# Allegro board F407_PACK_V10B.brd (continued)
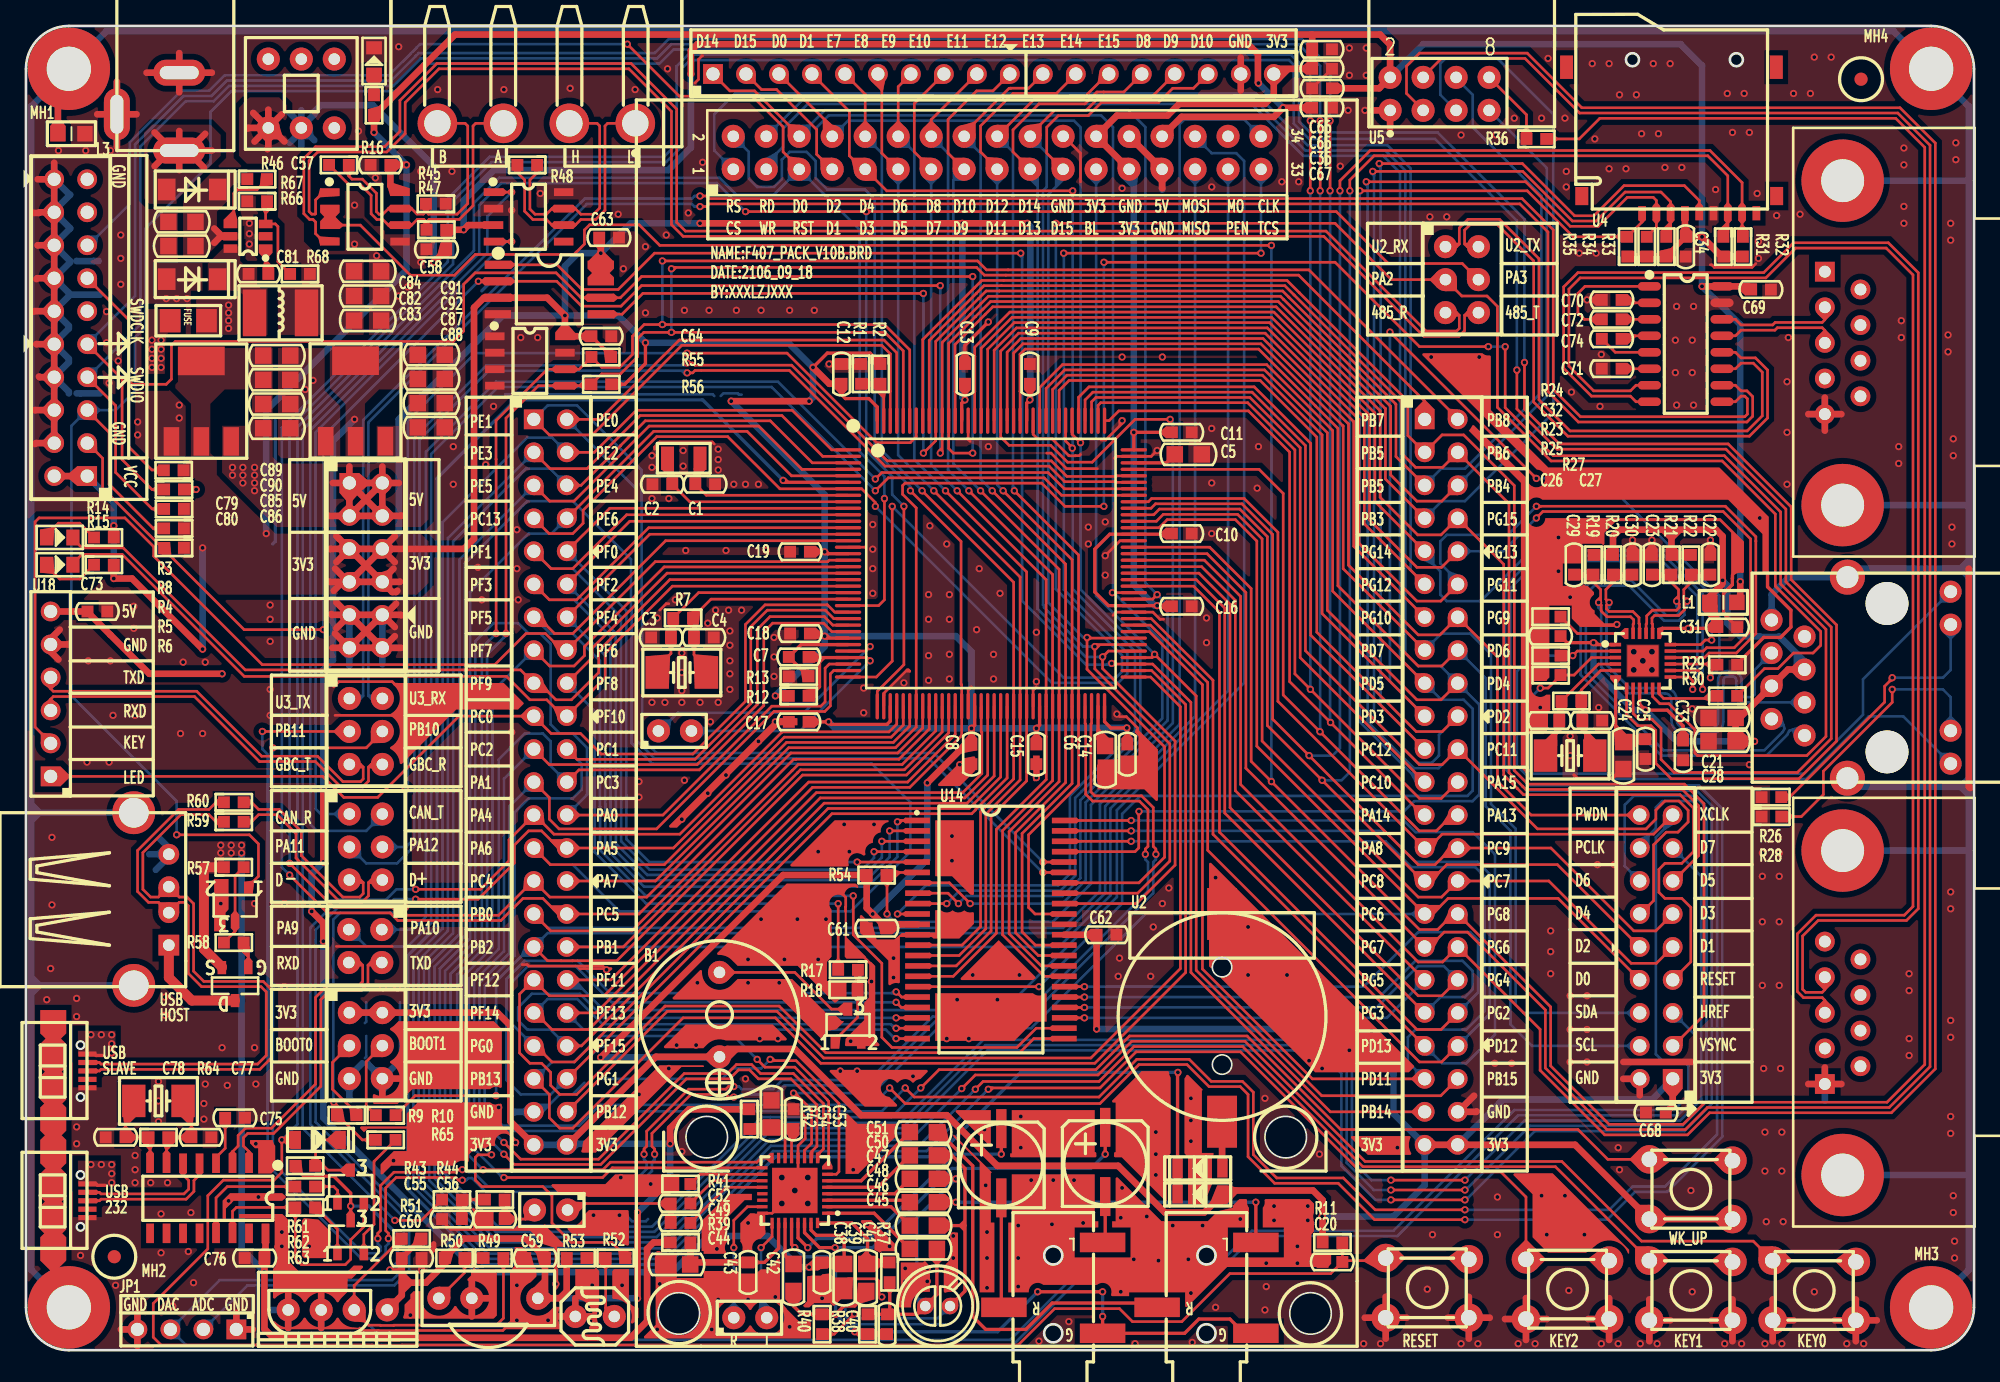
[diagram p0: board, top side]
## Footprints (pads in the part's own frame, mm; a bottom-side part is the same pattern mirrored in y, then rotated) (continued)
USB-A
  rect 1.6x1.6 hole 0.9: 1(0,0)
  round 1.6 hole 0.9: 2(0,-2.5) 3(0,-4.5) 4(0,-7)
  round 3.3 hole 2.3: 5(2.7,3.1) 6(2.7,-10.2)
USB-MICRO
  rect 0.4x1.4 smd: 1(-1.31,-0.07) 2(-0.66,-0.07) 3(-0.01,-0.07) 4(0.64,-0.07) 5(1.29,-0.07)
  rect 1.8x2 smd: 6(-3.8,-2.7) 7(-1.2,-2.7) 8(1.3,-2.7) 9(3.7,-2.7)
WJ2EDGRC-5R08-4P
  round 3.048 hole 2.032: 1(-7.62,0) 2(-2.54,0) 3(2.54,0) 4(7.62,0)
X-2P-3R2X1R5-SMD
  rect 1x1.8 smd: 1(-1.25,0) 2(1.25,0)
X-2P-5R0X3R2-SMD
  rect 1.8x2.5 smd: 1(-1.9,0) 2(1.9,0)

## Nets
AGND: C40.2 C41.2 C42.1 R38.1 R40.2 U6.3(G) U8.3(G) U9.28(AGND)
GND: C1.1 C2.1 C3.1 C4.1 C5.2 C6.2 C8.1 C9.1 C10.1 C11.1 C12.1 C13.1 C14.1 C15.1 C16.1 C17.1 C18.1 C19.1 C20.2 C21.1 C22.2 C23.2 C24.2 C25.2 C26.1 C27.1 C28.2 C29.1 C30.1 C31.2 C32.2 C33.2 C34.2 C35.1 C38.2 C39.2 C43.2 C44.2 C53.2 C54.2 C55.2 C56.2 C57.2 C58.1 C59.1 C60.1 C61.1 C62.2 C63.1 C64.1 C65.1 C66.1 C67.1 C68.1 C69.1 C70.1 C71.1 C73.1 C75.1 C76.1 C77.1 C78.1 C79.2 C80.2 C82.2 C83.2 C84.2 C85.2 C86.2 C87.2 C88.2 C89.2 C90.2 C91.2 C92.2 D5.2(CATHODE) D8.1 DC1.2 DC1.3 J1.43 J2.4 J2.6 J2.8 J2.10 J2.12 J2.14 J2.16 J2.18 J2.20 J3.44 J4.17 J8.5 J8.6 J13.22(GND_3) J13.26(GND_2) J13.27(GND_1) J14.2(10) J15.5 J16.1 J20.9(5) J20.10(11) J20.11(6) J20.12 JP1.1 JP1.4 L3.2(B) LS1.1(ANODE) Q1.2(E) Q3.2(E) R1.2 R8.1 R13.2 R18.1 R23.1 R24.1 R25.1 R26.2 R28.2 R29.2 R41.2 R45.2 R66.1 SW1.1 SW1.2 SW3.1 SW3.2 SW4.1 SW4.2 SW5.1 SW5.2 U1.16(VSS_1) U1.38(VSS_2) U1.51(VSS_3) U1.61(VSS_4) U1.83(VSS_5) U1.94(VSS_6) U1.107(VSS_7) U1.120(VSS_8) U1.130(VSS_9) U2.2 U3.25(GND) U4.6(GND) U5.1(GND) U9.12(DGND) U9.24(SPKGND) U9.33(GND) U10.5(GND) U11.2(GND) U11.8(RS) U12.2(GND) U13.1(GND) U13.2(NC) U14.12(GND_1) U14.34(GND_2) U15.4(GND) U16.1(A0) U16.2(A1) U16.3(A2) U16.4(GND) U16.7(WP) U17.15(GND) U18.5(GND) U19.1(GND) U20.2(GND) U22.1(GND) U23.1(GND) USB1.5(GND) USB2.4(GND) USB3.5(GND)
GND_EARTH: J9.8(CHS_GND) J9.13(SHILED_1) J9.14(SHILED_2) J15.10 J15.11 J16.10 J16.11 L3.1(A) MH1.1 MH2.1 MH3.1 MH4.1 USB1.6(P_2) USB1.7(P_1) USB1.8(P_3) USB1.9(P_4) USB2.5(P_2) USB2.6(P_1) USB3.6(P_2) USB3.7(P_1) USB3.8(P_3) USB3.9(P_4)
VCC_3V3: B1.1(P) C8.2 C9.2 C10.2 C11.2 C12.2 C13.2 C14.2 C15.2 C16.2 C17.2 C18.2 C19.2 C34.1 C35.2 C57.1 C59.2 C60.2 C61.2 C62.1 C63.2 C64.2 C65.2 C66.2 C68.2 C69.2 C89.1 C90.1 D1.1 J1.45 J1.46 J2.1 J2.2 J3.45 J3.46 J4.18 J8.1 J8.2 J13.24(VDD_2) J13.25(VDD_1) J14.1 J20.5(3) J20.6(9) J20.7(4) J20.8(10) L1.1(A) Q5.3(C) R2.2 R3.2 R4.2 R5.2 R6.2 R11.1 R12.2 R14.1 R15.1 R16.1 R31.1 R32.1 R33.2 R34.2 R35.2 R42.2 R50.1 R51.1 R53.2 R54.1 R55.1 R56.1 R61.1 SW2.1 SW2.2 U1.17(VDD_1) U1.30(VDD_2) U1.39(VDD_3) U1.52(VDD_4) U1.62(VDD_5) U1.72(VDD_6) U1.84(VDD_7) U1.95(VDD_8) U1.108(VDD_9) U1.121(VDD_10) U1.131(VDD_11) U1.144(VDD_12) U4.4(VCC) U5.2(VCC) U10.8(VCC) U12.3(VCC) U13.4(VCC) U14.11(VDD_1) U14.33(VDD_2) U15.3(W\P\) U15.7(H\O\L\D\) U15.8(VCC) U16.8(VCC) U17.16(VCC) U22.2(OUT_1) U22.4(OUT_2)
VCC_3V3_WM8978: C38.1 C39.1 C91.1 C92.1 U9.31(AVDD) U23.2(OUT_1) U23.4(OUT_2)
VCC_5V: C58.2 C67.2 C73.2 C76.2 C85.1 C86.1 C87.1 C88.1 J13.28(BL_VDD) J20.1 J20.2(7) J20.3(2) J20.4(8) Q2.2 R39.2 R47.1 R57.2 U11.3(VCC) U18.6(VCC) U19.16(VCC) U21.2 U22.3(IN) U23.3(IN)
VCC_LAN8720A: C21.2 C28.1 C31.1 C32.1 C33.1 J9.4(TCT) J9.5(RCT) L1.2(B) R19.1 R20.1 R21.1 R22.1 U3.1(VDD2A) U3.9(VDDIO) U3.19(VDD1A)
VCC_VBAT: D1.2 D2.2 U1.6(VBAT)
VDDA: C7.2 J7.2 R12.1 U1.33(VDDA)
VSSA: C7.1 R13.1 U1.31(VSSA)
1WIRE_DQ: J3.14 J14.18 U1.124(PG9)
485_A: J12.3 R46.1 R47.2 U10.6(A)
485_B: J12.4 R45.1 R46.2 U10.7(B)
BEEP: J1.18 R17.1 U1.20(PF8)
BOOT0: R9.1 R65.2 U1.138(BOOT0)
CAN_H: J12.2 R48.2 U11.7(CANH)
CAN_L: J12.1 R48.1 U11.6(CANL)
CAN_RX: J19.1 U11.4(R)
CAN_TX: J19.2 U11.1(D)
CH340_D+: U19.5(UD+) USB3.3(D+)
CH340_D-: U19.6(UD-) USB3.2(D-)
DCMI_D0: J3.31 J14.8(13) U1.96(PC6) U9.11(MCLK)
DCMI_D1: J3.30 J14.9(5) U1.97(PC7)
DCMI_D2: J3.29 J14.10(14) R31.2 U1.98(PC8) U4.7(DAT0)
DCMI_D3: J3.28 J14.11(6) R32.2 U1.99(PC9) U4.8(DAT1)
DCMI_D4: J3.22 J14.12(15) R34.1 U1.112(PC11) U4.2(DAT3)
DCMI_D5: J3.4 J14.13(7) U1.136(PB6)
DCMI_D6: J1.5 J14.14(16) U1.4(PE5)
DCMI_D7: J1.8 J14.15(8) U1.5(PE6)
DCMI_HREF: J1.25 J14.5(3) JP1.3 U1.40(PA4)
DCMI_PCLK: J1.27 J14.16(17) U1.42(PA6)
DCMI_RESET: J3.8 J14.7(4) U1.132(PG15)
DCMI_SCL: J3.16 J14.4(11) U1.122(PD6)
DCMI_SDA: J3.15 J14.6(12) U1.123(PD7)
DCMI_VSYNC: J3.3 J14.3(2) U1.137(PB7)
DCMI_XCLK: J3.27 J14.17(9) R49.1 R51.2 U1.100(PA8) U13.3(DQ)
DTR#: R62.2 U19.13(DTR#)
ETH_MDC: J1.22 U1.27(PC1) U3.13(MDC)
ETH_MDIO: J17.3 R30.2 U1.36(PA2)
ETH_RESET: J3.19 R29.1 U1.117(PD3) U3.15(R\S\T\)
F_CS: J3.43 U1.75(PB14) U15.1(C\S\)
FSMC_A0: J1.10 U1.10(PF0) U14.5(A0)
FSMC_A1: J1.9 U1.11(PF1) U14.4(A1)
FSMC_A2: J1.12 U1.12(PF2) U14.3(A2)
FSMC_A3: J1.11 U1.13(PF3) U14.2(A3)
FSMC_A4: J1.14 U1.14(PF4) U14.1(A4)
FSMC_A5: J1.13 U1.15(PF5) U14.24(A11)
FSMC_A6: J1.35 J13.2(RS) U1.50(PF12) U14.23(A17)
FSMC_A7: J1.38 U1.53(PF13) U14.22(A12)
FSMC_A8: J1.37 U1.54(PF14) U14.21(A13)
FSMC_A9: J1.40 U1.55(PF15) U14.20(A14)
FSMC_A10: J1.39 U1.56(PG0) U14.19(A15)
FSMC_A11: J1.42 U1.57(PG1) U14.18(A16)
FSMC_A12: J3.38 U1.87(PG2) U14.28(A18)
FSMC_A13: J3.37 U1.88(PG3) U14.27(A8)
FSMC_A14: J3.36 U1.89(PG4) U14.26(A9)
FSMC_A15: J3.35 U1.90(PG5) U14.25(A10)
FSMC_A16: J3.41 U1.80(PD11) U14.42(A7)
FSMC_A17: J3.40 U1.81(PD12) U14.43(A6)
FSMC_A18: J3.39 U1.82(PD13) U14.44(A5)
FSMC_D0: J4.1 J13.6(D0) U1.85(PD14) U14.7(I/O0)
FSMC_D1: J4.2 J13.7(D1) U1.86(PD15) U14.8(I/O1)
FSMC_D2: J4.3 J13.8(D2) U1.114(PD0) U14.9(I/O2)
FSMC_D3: J4.4 J13.9(D3) U1.115(PD1) U14.10(I/O3)
FSMC_D4: J4.5 J13.10(D4) U1.58(PE7) U14.13(I/O4)
FSMC_D5: J4.6 J13.11(D5) U1.59(PE8) U14.14(I/O5)
FSMC_D6: J4.7 J13.12(D6) U1.60(PE9) U14.15(I/O6)
FSMC_D7: J4.8 J13.13(D7) U1.63(PE10) U14.16(I/O7)
FSMC_D8: J4.9 J13.14(D8) U1.64(PE11) U14.29(I/O8)
FSMC_D9: J4.10 J13.15(D9) U1.65(PE12) U14.30(I/O9)
FSMC_D10: J4.11 J13.16(D10) U1.66(PE13) U14.31(I/O10)
FSMC_D11: J4.12 J13.17(D11) U1.67(PE14) U14.32(I/O11)
FSMC_D12: J4.13 J13.18(D12) U1.68(PE15) U14.35(I/O12)
FSMC_D13: J4.14 J13.19(D13) U1.77(PD8) U14.36(I/O13)
FSMC_D14: J4.15 J13.20(D14) U1.78(PD9) U14.37(I/O14)
FSMC_D15: J4.16 J13.21(D15) U1.79(PD10) U14.38(I/O15)
FSMC_NBL0: J1.2 U1.141(PE0) U14.39(L\B\)
FSMC_NBL1: J1.1 U1.142(PE1) U14.40(U\B\)
FSMC_NE3: J3.13 R54.2 U1.125(PG10) U14.6(C\S\1\)
FSMC_NE4: J3.11 J13.1(LCD_CS) U1.127(PG12)
FSMC_NOE: J3.18 J13.4(RD) U1.118(PD4) U14.41(O\E\)
FSMC_NWE: J3.17 J13.3(WR/CLK) U1.119(PD5) U14.17(W\E\)
GBC_KEY: J1.16 U1.18(PF6) U18.2(KEY)
GBC_LED: J1.19 U1.26(PC0) U18.1(LED)
GBC_RX: J18.6 U18.3(RXD)
GBC_TX: J18.5 U18.4(TXD)
I2S_LRCK: J1.44 U1.73(PB12) U9.7(LRC)
I2S_SCLK: J1.41 U1.74(PB13) U9.8(BCLK)
I2S_SDIN: J1.24 U1.29(PC3) U9.10(DACDAT)
I2S_SDOUT: J1.21 U1.28(PC2) U9.9(ADCDAT)
IIC_SCL: J3.2 R55.2 U1.139(PB8) U9.16(SCLK) U16.6(SCL)
IIC_SDA: J3.1 R56.2 U1.140(PB9) U9.17(SDIN) U16.5(SDA)
JTCK: J2.9 J3.25 R8.2 U1.109(PA14 (JTCK/SWCLK))
JTMS: J2.7 J3.26 R4.1 U1.105(PA13 (JTMS-SWDIO))
KEY0: J1.6 SW3.3 SW3.4 U1.3(PE4)
KEY1: J1.3 SW4.3 SW4.4 U1.2(PE3)
KEY2: J1.4 SW5.3 SW5.4 U1.1(PE2)
LCD_BL: J3.42 J13.23(BL) U1.76(PB15)
LED0: D3.2(CATHODE) J1.17 U1.21(PF9)
LED1: D4.2(CATHODE) J1.20 U1.22(PF10)
LIGHT_SENSOR: J1.15 R52.1 U1.19(PF7)
LINK_LED: J9.12(LED(Y)_A) R25.2 U3.3(LED1/R\E\G\O\F\F\)
LOUT2: J10.2 U9.25(LOUT2)
NRF_CE: J3.34 U1.91(PG6) U5.3(CE)
NRF_CS: J3.33 U1.92(PG7) U5.4(CSN)
NRF_IRQ: J3.32 R36.1 U1.93(PG8) U10.2(R\E\) U10.3(DE)
OSC32_IN: C1.2 U1.8(PC14/OSC32_IN (PC14)) X1.2
OSC32_OUT: C2.2 U1.9(PC15/ OSC32_OUT (PC15)) X1.1
OSC_IN: C3.2 R7.1 U1.23(PH0/OSC_IN (PH0)) X2.2
OSC_OUT: C4.2 R7.2 U1.24(PH1/OSC_OUT (PH1)) X2.1
PA5: J1.28 JP1.2 U1.41(PA5)
PA9: J6.3 U1.101(PA9)
PA10: J6.1 U1.102(PA10)
PWM_AUDIO: C49.2 C52.2 J11.1
PWM_DAC: J17.4 R43.1 U1.37(PA3)
RESET: C20.1 D6.1 J2.15 J13.5(RST) R11.2 SW1.3 SW1.4 U1.25(NRST)
RMII_CRS_DV: J1.30 U1.43(PA7) U3.11(CRS_DV/M\O\D\E\2\)
RMII_REF_CLK: J1.23 U1.35(PA1) U3.14(I\N\T\/REFCLKO)
RMII_RXD0: J1.29 U1.44(PC4) U3.8(RXD0/M\O\D\E\0\)
RMII_RXD1: J1.32 U1.45(PC5) U3.7(RXD1/M\O\D\E\1\)
RMII_TX_EN: J3.12 U1.126(PG11) U3.16(TXEN)
RMII_TXD0: J3.10 U1.128(PG13) U3.17(TXD0)
RMII_TXD1: J3.9 U1.129(PG14) U3.18(TXD1)
ROUT2: J10.1 U9.23(ROUT2)
RS485_RX: J17.5 U10.4(DI)
RS485_TX: J17.6 U10.1(RO)
RTS#: Q4.2(E) R63.2 U19.14(RTS#)
RXD: J6.4 U19.3(RXD)
SDIO_CMD: J3.20 R33.1 U1.116(PD2) U4.3(CMD)
SDIO_D2: J3.23 R35.1 U1.111(PC10) U4.1(DAT2)
SDIO_SCK: J3.21 U1.113(PC12) U4.5(CLK)
SPEED_LED: J9.9(LED(G)_A) R23.2 U3.2(LED2/I\N\T\S\E\L\)
SPI1_MISO: J2.3 J3.6 R6.1 U1.134(PB4 (NJTRST)) U5.7(MISO) U15.2(DO)
SPI1_MOSI: J3.5 U1.135(PB5) U5.6(MOSI) U15.5(DI)
SPI1_SCK: J2.13 J3.7 R3.1 U1.133(PB3 (JTDO/) U5.5(SCK) U15.6(CLK)
T_CS: J1.7 J13.33(T_CS) U1.7(PC13)
T_MISO: J1.33 J13.29(MISO) R10.2 U1.48(PB2/BOOT1 (PB2))
T_MOSI: J1.36 J13.30(MOSI) U1.49(PF11)
T_PEN: J1.34 J13.31(T_PEN) U1.47(PB1)
T_SCK: J1.31 J13.34(CLK) U1.46(PB0)
TPRX+: C29.2 J9.3(RD+) R19.2 U3.23(RXP)
TPRX-: C30.2 J9.6(RD-) R20.2 U3.22(RXN)
TPTX+: C23.1 J9.1(TD+) R21.2 U3.21(TXP)
TPTX-: C22.1 J9.2(TD-) R22.2 U3.20(TXN)
TXD: J6.2 U19.2(TXD)
U2_232RX: J15.3 U17.13(RIN1)
U2_232TX: J15.2 U17.14(TOUT1)
U2_RX: J17.1 U17.11(TIN1)
U2_TX: J17.2 U17.12(ROUT1)
U3_232RX: J16.4 U17.8(RIN2)
U3_232TX: J16.3 U17.7(TOUT2)
U3_RX: J18.2 U17.10(TIN2)
U3_TX: J18.1 U17.9(ROUT2)
USART3_RX: J18.3 U1.70(PB11)
USART3_TX: J18.4 U1.69(PB10)
USB_D+: J19.4 U1.104(PA12)
USB_D-: J19.3 U1.103(PA11)
USB_DM: R60.2 USB1.2(D-) USB2.2(D-)
USB_DP: R59.2 USB1.3(D+) USB2.3(D+)
USB_PWR: J2.5 J3.24 Q3.1(B) R5.1 U1.110(PA15 (JTDI))
VBTN: C82.1 C83.1 C84.1 F1.2 L2.2(B) R68.2 U21.1
VREF+: J7.1 U1.32(VREF+)
VUSB: F1.1 USB1.1(VBUS) USB3.1(VBUS)
WK_UP: J1.26 SW2.3 SW2.4 U1.34(PA0/WKUP (PA0))
N11518043: R1.1 R2.1 U1.143(PDR_ON)
N11518115: C5.1 U1.106(VCAP_2)
N11543983: C24.1 C25.1 U3.6(VDDCR)
N11544758: R24.2 U3.24(RBIAS)
N11545616: R30.1 U3.12(MDIO)
N11546552: C26.2 R27.1 U3.4(XTAL2) X3.2
N11546564: C27.2 R27.2 U3.5(XTAL1/CLKIN) X3.1
N11550641: J9.11(LED(Y)_K) R26.1
N11550645: J9.10(LED(G)_K) R28.1
N11560624: D3.1(ANODE) R14.2
N11560628: D4.1(ANODE) R15.2
N11623966: C6.1 U1.71(VCAP_1)
N11837194: D7.1 DC1.1
N11837240: C79.1 C80.1 D7.2 R67.2 U20.5(VIN)
N11837272: C81.1 D8.2 L2.1(A) U20.6(SW)
N11837304: R66.2 R68.1 U20.3(FB)
N11838232: C81.2 U20.1(BST)
N13706171: R67.1 U20.4(EN)
N13708484: Q1.1(B) R17.2 R18.2
N13708528: B1.2(G) Q1.3(C)
N13709121: D6.2 Q4.3(C) R61.2
N13709187: Q4.1(B) R62.1
N13709299: Q5.1(B) R63.1
N13709345: Q5.2(E) R65.1
N13727357: D5.1(ANODE) R16.2
N13728271: C75.2 U19.4(V3)
N13728445: C77.2 R64.1 U19.7(XI) X4.2
N13728616: C78.2 R64.2 U19.8(XO) X4.1
N13740556: C43.1 C44.1 R39.1 U9.26(SPKVDD)
N13740781: C49.1 U9.20(AUXR)
N13740788: C52.1 U9.19(AUXL)
N13741001: R41.1 U9.18(MODE)
N13741060: C53.1 C54.1 R42.1 U9.13(DCVDD) U9.14(DBVDD)
N13741784: C51.1 U9.6(R2/GPIO3)
N13741788: C50.1 U9.5(RIN)
N13741800: C47.1 U9.4(RIP)
N13741812: C48.1 U9.3(L2/GPIO2)
N13741824: C46.1 U9.2(LIN)
N13741836: C45.1 U9.1(LIP)
N13741899: C48.2 U8.2(L)
N13741928: C51.2 U8.1(R)
N13741940: C40.1 C45.2 C47.2 R37.1 R38.2 U7.1(+)
N13741961: C46.2 C50.2 R40.1 U7.2(-)
N13742146: C36.2 U6.1(R)
N13742150: C37.2 U6.2(L)
N13742154: C36.1 U9.29(ROUT1)
N13742161: C37.1 U9.30(LOUT1)
N13742295: C42.2 U9.27(VMID)
N13742444: C41.1 R37.2 U9.32(MICBIAS)
N13743580: C55.1 R43.2 R44.1
N13743674: C56.1 J11.2 R44.2
N16679056: R49.2 R50.2 U12.1(DATA)
N16679306: LS1.2(CATHODE) R52.2 R53.1
N16704366: Q2.1 R58.2
N16704370: Q3.3(C) R57.1 R58.1
N16704392: Q2.3 USB2.1(VBUS)
N16704862: C70.2 U17.2(V+)
N16704870: C71.2 U17.6(V-)
N16704890: C72.1 U17.1(C1+)
N16704894: C74.2 U17.5(C2-)
N16704906: C74.1 U17.4(C2+)
N16704910: C72.2 U17.3(C1-)
N16705916: J19.6 R59.1
N16706056: J19.5 R60.1
N16708256: R36.2 U5.8(IRQ)
N115355290: J8.4 R10.1
N115355295: J8.3 R9.2
N117249130: D2.1 U2.1

Pads without a net: J2 11 17 19; J9 7; J13 32; J15 1 4 6 7 8 9; J16 2 5 6 7 8 9; MP1 1; MP2 1; U3 10; U4 9 10 11 12 13; U9 15 21 22; U11 5; U19 9 10 11 12 15; U21 3 4 5 6; USB1 4; USB3 4

## Via types
v1: diameter 0.559, hole 0.305, TOP to BOTTOM, 819 vias
v2: diameter 0.762, hole 0.457, TOP to BOTTOM, 10 vias

## Routing (per net, layer and track width the routed paths; a pad name or vN(x,y) marks a point on that pad's centre or on a via; arc(x,y) is an arc through that point)
AGND: length 58.3
  TOP w0.254: v1(77.9,4.5) v1(82.9,4.5) ; v1(82.9,2.6) U6.3 89.21,1.3 90.31,2.4 92.7,2.4 93.8,1.3 U8.3 ; U9.28 58.95,8.15 v1(59.2,7.9) ; C41.2 64.7,4.3 63.81,3.41 62.99,3.41 v1(62.34,2.76) R40.2 59.74,2.76 59.1,3.4 C42.1 ; v1(63.82,1.42) 64.58,1.42 64.76,1.24 R38.1 C40.2
  BOTTOM w0.254: v1(77.9,4.5) 74.82,1.42 v1(63.82,1.42) 63.68,1.42 v1(62.34,2.76) 62.34,6.66 61.8,7.2 59.9,7.2 v1(59.2,7.9) ; v1(82.9,2.6) v1(82.9,4.5)
GND: length 564.6
  TOP w0.203: 85.6,47.7 85.6,47.93 84.73,48.8 84.2,48.8 ; 64.7,61.8 64.65,61.85 U1.16 ; 83.8,68.7 83.95,68.85 U1.107 86.65,68.85 v1(87.1,69.3) ; 48.8,57 49.3,57.5 49.5,57.5 ; 53,69.8 52.84,69.96 48.8,69.96 48.4,69.56 48.4,69.4 ; 82.8,70.1 83.13,70.1 84.4,71.37 v1(84.4,71.6) ; 35.6,9.3 32.7,9.3 32.04,9.96 C55.2 ; 35.6,9.3 35.34,9.56 35.34,9.64 ; 35.6,9.3 39.2,9.3 39.3,9.2 ; 63.1,33.8 63.1,34.14 63.12,34.16 63.12,34.88 62.8,35.2 ; 38.2,29.7 38.6,29.7 38.71,29.59 44.41,29.59 v1(44.7,29.3) ; U1.61 77.55,50.85 77.8,51.1 ; v1(83.1,61.2) 84.25,62.35 U1.94 ; U1.130 72.55,70.15 72.7,70 ; C65.1 100.54,98.7 C35.1 ; 67.9,52.3 68.05,52.3 67.95,52.4 67.85,52.4 66.05,50.6 U1.38 ; 28.6,51.3 28.39,51.3 28.2,51.49 24.09,51.49 23.7,51.1 ; v1(65.9,4.1) 65.7,4.3 65.7,5.3 65.5,5.5 63.3,5.5 ; J13.22 79.9,93.5 81.2,92.2 81.2,90 ; 83.7,56.6 83.95,56.85 U1.83 86.77,56.85 87.32,56.3 87.6,56.3 ; 51.5,97.6 51.78,97.88 51.78,99.43 52.06,99.7 52.1,99.7 ; 64.5,30.3 65.2,29.6 65.2,29.4 ; 133.2,83.7 132.91,83.41 130,83.41 129.81,83.6 129.7,83.6 ; U9.24 57.45,10.55 v2(58.2,11.3) v2(59.2,12.3) 59.45,12.55 U9.12 59.45,15.75 60,16.3 60,17.96 59.76,18.2 ; 37,1.8 36.72,1.52 28.49,1.52 28.47,1.5 27.15,1.5 27.13,1.52 25.88,1.52 25.7,1.7 ; 40.8,8.1 40.8,6.1 ; U1.120 77.55,70.55 77.9,70.2 79,70.2 80.3,68.9 80.32,68.9 80.32,68.89 80.81,68.89 80.81,68.9 81.1,68.9 81.2,69 ; 78.6,69.1 78.93,69.1 80.13,67.9 82.5,67.9 ; 28.8,48.9 23.8,48.9 ; C70.1 v1(120.2,80.9) ; 72.8,51.1 72.55,50.85 U1.51 ; 28.2,31.1 23.9,31.1
  TOP w0.254: C24.2 122.86,44.76 122.14,44.04 119.46,44.04 119.2,44.3 ; C39.2 62.32,5.24 C38.2 v1(61.3,4) ; v1(74.1,79.2) 72.3,77.4 C13.1 ; R29.2 131.76,52.86 133.8,54.9 135.1,54.9 135.9,55.7 135.9,57 134.1,58.8 134.1,59.9 134,60 ; 131.4,59.7 131.4,59.46 131.39,59.45 131.39,58.96 130.71,58.29 130.71,56.75 C31.2
  TOP w0.4: 31.22,7.6 31.4,7.78 31.4,8.2 ; C56.2 35.34,9.64 35.1,9.4
  TOP w0.508: SW3.2 140.9,3.91 ; SW3.2 139.29,2.3 ; SW3.2 140.9,0.69 ; SW3.2 142.51,2.3 ; 111.5,19.6 110.26,18.36 ; 110.26,18.36 111.66,18.36 111.7,18.4 ; 110.26,18.36 J3.44 ; 22.73,1.7 U13.2 22.73,4.5 ; J20.12 J20.11 ; J20.12 J20.9 ; J20.12 27.5,54.1 ; J20.11 23.6,54.1 ; J20.11 J20.10 ; J20.11 23.8,55.2 ; 134.5,0.69 SW3.1 ; SW3.1 134.5,3.91 ; SW3.1 136.11,2.3 ; 34.33,2.6 U12.2 ; U12.2 34.33,5.4 ; U12.2 35.73,4 ; LS1.1 43.7,2.6 ; LS1.1 40.9,2.6 ; LS1.1 42.3,4 ; J15.5 139.78,72.1 ; J15.5 138.51,73.37 ; J15.5 137.24,72.1 ; J15.5 138.51,70.83 ; 0.8,77.5 0.81,77.49 J2.10 ; SW1.2 112.71,2.5 ; SW1.2 111.1,4.11 ; SW1.2 109.49,2.5 ; SW1.2 111.1,0.89 ; 124.26,19.63 J14.2 122.99,20.9 ; J2.10 J2.8 ; J2.10 J2.12 ; U18.5 1.9,54.8 2.6,55.5 ; U18.5 1.9,53.8 2.5,53.2 ; U18.5 3.26,54.36 3.3,54.4 ; 1,75 1.05,74.95 J2.8 ; SW1.1 104.7,4.11 ; SW1.1 106.31,2.5 ; SW1.1 104.7,0.89 ; SW1.1 103.09,2.5 ; J2.8 J2.6 ; 129.79,2.3 SW4.2 ; SW4.2 131.4,3.91 ; SW4.2 131.4,0.69 ; 125,0.69 SW4.1 ; SW4.1 125,3.91 ; SW4.1 126.61,2.3 ; 7,92.69 DC1.3 ; DC1.3 5.49,95.2 ; DC1.3 7,97.71 ; DC1.3 8.51,95.2 ; J2.12 0.63,80.03 0.6,80 ; J2.12 J2.14 ; C22.2 v1(129.7,62.4) ; 8.58,0.33 JP1.4 ; JP1.4 7.31,1.6 ; JP1.4 8.58,2.87 ; 27.64,56.64 28.86,56.64 28.9,56.6 ; 27.64,56.64 27.46,56.64 ; 27.64,56.64 28.5,57.5 ; v1(61.84,75.96) C12.1 R1.2 ; J2.20 J2.18 ; J2.20 2.17,91.46 ; J2.20 0.9,90.19 ; J2.18 1.05,87.65 1,87.6 0.6,87.6 ; J2.18 J2.16 ; 149.6,60.2 149.6,43.4 149.7,43.3 ; 16.2,2.87 JP1.1 17.47,1.6 ; J13.26 J13.27 87.48,89.52 87.5,89.5 ; 27.46,56.64 28.4,55.7 ; 27.46,56.64 J20.10 ; v1(123.7,62.4) C30.1 C23.2 v1(125.2,62.4) ; 20.19,4.5 U13.1 20.19,1.7 ; SW5.1 115.5,4.01 ; SW5.1 115.5,0.79 ; SW5.1 113.89,2.4 ; SW5.1 117.11,2.4 ; J20.9 J20.10 ; J20.9 24.86,56.64 ; J20.9 24.9,56.6 23.9,55.6 ; 128.3,22.2 123,22.2 ; J2.16 0.91,85.11 0.9,85.1 ; J2.16 J2.14 ; 28.84,20.92 J8.6 27.44,19.52 ; R8.1 v1(13.1,66.3) ; 120.29,2.4 SW5.2 ; SW5.2 121.9,0.79 ; SW5.2 121.9,4.01 ; 28.4,55 27.5,54.1 ; 27.5,54.1 28.9,54.1 ; J2.6 J2.4 0.77,69.87 0.7,69.8 ; J2.6 0.71,72.41 0.7,72.4 ; 103.64,95.5 U5.1 105.04,94.1 ; 23.5,56.7 23.56,56.64 24.86,56.64 ; C60.1 v1(30.46,6.14) ; 24.86,56.64 23.9,57.6 ; J2.14 0.87,82.57 0.8,82.5 ; 137.24,20.5 J16.1 ; J16.1 138.51,21.77 ; J16.1 139.78,20.5 ; 11.8,96.89 DC1.2 ; DC1.2 9.29,98.4 ; DC1.2 11.8,99.91 ; DC1.2 14.31,98.4 ; 93.54,99.57 J4.17 93.54,97.03
  BOTTOM w0.203: 37.52,73.63 52.87,73.63 53,73.5 ; 37.52,73.63 36.93,73.63 36.9,73.6 ; 37.52,73.63 37.49,73.6 37.1,73.6 ; 28.7,22.7 28.8,22.8 28.8,24.1 ; J1.43 39.76,18.36 41.1,19.7 42.1,19.7 43,20.6 ; 26.2,26.8 26.2,25.3 26.1,25.2 ; 43.4,22.6 44.2,23.4 44.6,23.4 ; 28.7,25.2 28.8,25.3 28.8,26.8 ; 55.1,73.6 54.9,73.6 54.8,73.7 53.7,73.7 53.5,73.5 ; 47.9,10.1 47.73,9.93 46.67,9.93 46.3,10.3 ; 63.1,3.2 63.1,2.61 63.71,2 64.06,2 64.06,2 70.8,2 ; 26.2,24.2 26.2,22.6 26.1,22.5 ; 4.1,73.6 4.2,73.7
  BOTTOM w0.254: 19,62.1 19.2,62.3 19.2,71.6 ; 35.1,81.6 35.6,82.1
  BOTTOM w0.508: 3.9,83.9 3.91,83.89 5.22,83.89 5.23,83.9 5.6,83.9 ; 17.47,1.6 JP1.1 16.2,2.87 ; SW1.1 106.31,2.5 ; SW1.1 104.7,0.89 ; SW1.1 103.09,2.5 ; SW1.1 104.7,4.11 ; 37.6,18.3 37.66,18.36 J1.43 ; 43.7,2.6 LS1.1 40.9,2.6 ; 8.58,0.33 JP1.4 ; JP1.4 7.31,1.6 ; JP1.4 8.58,2.87 ; 5.49,95.2 DC1.3 ; DC1.3 7,92.69 ; DC1.3 8.51,95.2 ; DC1.3 7,97.71 ; 25.9,22.1 24.9,21.1 J8.5 24.9,19.4 25,19.3 ; J2.20 2.17,91.46 ; J2.20 3.36,89 3.4,89 2.17,87.77 ; J2.20 2.17,87.77 ; 115.5,0.79 SW5.1 ; SW5.1 117.11,2.4 ; SW5.1 113.89,2.4 ; SW5.1 115.5,4.01 ; J2.18 3.4,86.42 3.4,86.4 2.17,85.17 ; J2.18 2.17,87.77 ; J2.18 2.17,85.17 ; J2.16 3.4,83.88 3.4,83.8 2.17,82.57 ; J2.16 2.17,82.57 ; J2.16 2.17,85.17 ; USB2.4 11,38 10,37 ; USB2.4 9.5,38.2 ; USB2.4 11,38.7 10.3,39.4 ; 111.5,19.6 110.26,18.36 J3.44 ; 3.3,73.7 3.3,73.82 J2.8 ; J8.6 26.3,22.06 26.3,22.1 ; J8.6 27.44,20.94 28.4,21.9 ; J8.6 27.44,19.24 27.4,19.2 ; 111.1,0.89 SW1.2 ; SW1.2 109.49,2.5 ; SW1.2 112.71,2.5 ; SW1.2 111.1,4.11 ; 2.17,77.57 J2.12 ; 2.17,77.57 J2.10 ; 2.17,77.57 3.3,78.7 3.3,78.9 J2.12 ; J2.12 2.17,80.07 ; SW3.1 136.11,2.3 ; SW3.1 134.5,0.69 ; SW3.1 134.5,3.91 ; 22.73,1.7 U13.2 ; 3.9,73.7 5.7,73.7 ; 138.51,70.83 J15.5 ; J15.5 137.24,72.1 ; J15.5 139.78,72.1 ; J15.5 138.51,73.37 ; SW5.2 121.9,4.01 ; SW5.2 121.9,0.79 ; SW5.2 120.29,2.4 ; J2.14 3.3,81.44 3.3,81.2 2.17,80.07 ; J2.14 2.17,82.57 ; J2.14 2.17,80.07 ; J2.8 J2.6 J2.4 ; J2.8 2.17,74.97 ; J16.1 138.51,21.77 ; J16.1 139.78,20.5 ; J16.1 137.24,20.5 ; J16.1 138.51,19.23 ; U12.2 35.73,4 ; U12.2 34.33,2.6 ; U12.2 34.33,5.4 ; 103.64,95.5 U5.1 ; 125,0.69 SW4.1 ; SW4.1 125,3.91 ; SW4.1 126.61,2.3 ; 2.17,74.97 3.3,76.1 3.3,76.36 J2.10 ; 2.17,74.97 J2.10 ; 20.19,1.7 U13.1 18.79,3.1 ; DC1.2 14.31,98.4 ; DC1.2 9.29,98.4 ; DC1.2 11.8,99.91 ; J20.9 J20.11 24.9,52.7 ; J20.10 J20.12 ; J20.12 27.44,52.83 ; J20.12 28.71,54.1 ; 131.4,0.69 SW4.2 ; SW4.2 131.4,3.91 ; SW4.2 129.79,2.3 ; 140.9,0.69 SW3.2 ; SW3.2 140.9,3.91 ; SW3.2 139.29,2.3 ; SW3.2 142.51,2.3 ; 87.5,89.4 87.48,89.42 J13.27 ; 122.99,20.9 J14.2 ; 5.7,81.3 3.6,81.3
  vias: v1(1.6,27) v1(1.9,29.4) v1(2,39.5) v1(2,34.3) v1(2.5,92.4) v1(3.9,27.1) v1(3.9,25.7) v1(3.9,17.2) v1(3.9,15.9) v1(4.2,7.3) v1(4.6,92.4) v1(4.7,45.3) v1(4.8,53.1) v1(6.2,80) v1(6.2,77.6) v1(6.4,74.5) v1(6.4,45.3) v1(6.5,92.4) v1(6.5,53.1) v1(6.7,48.9) v1(6.9,5) v1(7.1,76.2) v1(7.3,85.9) v1(7.3,84.1) v1(7.3,82.1) v1(8.3,57.3) v1(8.3,55.6) v1(8.4,48.9) v1(8.4,15) v1(8.4,13.9) v1(8.4,12.9) v1(8.6,71.5) v1(8.6,70.5) v1(9.6,12.9) v1(10.2,20.7) v1(10.2,19.2) v1(10.2,17.6) v1(10.4,10.5) v1(10.4,7.5) v1(10.7,27.2) v1(10.7,25.8) v1(10.8,81) v1(10.9,12.9) v1(11.3,3.4) v1(11.6,81) v1(11.8,72.8) v1(11.8,71.8) v1(11.9,47.5) v1(12.1,53) v1(12.4,81) v1(12.5,7.6) v1(12.7,10.6) v1(12.9,5.2) v1(13.6,47.5) v1(13.7,19) v1(13.7,17.8) v1(13.8,53) v1(13.8,20.5) v1(15,34.4) v1(15,7.3) v1(15.1,23.3) v1(15.5,20.4) v1(15.6,11.5) v1(17.2,86.8) v1(17.2,86) v1(17.2,85.2) v1(17.6,34.4) v1(17.6,23.3) v1(17.7,20.5) v1(17.7,15.9) v1(17.9,11.8) v1(18.8,57.4) v1(18.8,56.3) v1(18.8,54.6) v1(18.8,50.9) v1(18.8,48.9) v1(19.7,9.1) v1(19.7,8) v1(19.9,34.4) v1(19.9,28) v1(21.5,74) v1(21.8,8) v1(22.1,74.7) v1(25.3,88.2) v1(25.3,85.2) v1(25.6,93.9) v1(26.9,90.3) v1(27,84.3) v1(27.5,27.9) v1(28.3,14.6) v1(28.6,27.9) v1(28.7,100.4) v1(28.7,81.2) v1(29.4,81.9) v1(29.6,2.7) v1(30.4,90.8) v1(30.4,83.8) v1(31.7,97.1) v1(32.8,90.8) v1(32.9,69.6) v1(32.9,66.7) v1(34.8,60.3) v1(35.1,57.8) v1(35.4,68.2) v1(36,72.7) v1(36.4,18.7) v1(36.8,97.1) v1(37.4,87.8) v1(37.4,50.1) v1(37.4,47.6) v1(37.7,16) v1(37.8,63.2) v1(37.8,60.2) v1(37.8,5) v1(37.8,2.3) v1(37.9,57.8) v1(38.1,78) v1(39.4,78) v1(39.6,89.1) v1(40.2,2.3) v1(40.8,5.1) v1(41.9,97.2) v1(43.6,5) v1(43.7,10.4) v1(44.8,17.1) v1(45.6,87.5) v1(45.7,10.4) v1(45.8,13.3) v1(45.9,5) v1(46,83.3) v1(46.9,97.1) v1(47.2,43.8) v1(47.2,42.6) v1(47.2,19.7) v1(47.7,85) v1(47.7,79.9) v1(48.1,12.8) v1(48.2,68.9) v1(48.2,68) v1(48.2,65.6) v1(48.2,49.9) v1(48.6,56.4) v1(48.6,1.6) v1(48.8,5.1) v1(49.2,49.9) v1(49.3,85.9) v1(49.4,98.7) v1(49.5,65.6) v1(49.5,21.7) v1(50,57.8) v1(50.1,23.5) v1(50.5,53.7) v1(50.5,52.2) v1(50.5,50.8) v1(50.5,49.9) v1(50.5,40.9) v1(50.5,15.3) v1(50.6,69.3) v1(50.6,68.1) v1(50.7,80.1) v1(50.7,43.9) v1(50.8,61.6) v1(51,87.6) v1(51.6,23.5) v1(51.7,28.3) v1(51.9,49.9) v1(52.1,91.5) v1(52.5,56) v1(52.5,42.9) v1(52.6,80.1) v1(52.7,48.4) v1(52.8,1.6) v1(53.1,57) v1(53.2,7.8) v1(53.3,69.4) v1(53.3,68.6) v1(53.3,67.8) v1(53.3,49.9) v1(53.3,3.9) v1(53.7,9.7) v1(53.9,61.6) v1(53.9,44.3) v1(54.1,57) v1(54.2,55.4) v1(54.2,54.3) v1(54.2,53.1) v1(54.2,52.1) v1(54.2,50.9) v1(54.5,66.7) v1(54.7,80.1) v1(55.1,57) v1(55.4,66.7) v1(55.4,20.9) v1(55.6,30.1) v1(55.6,28.3) v1(55.6,9.8) v1(55.6,3.9) v1(56.4,66.7) v1(56.4,46.9) v1(56.5,24) v1(56.6,80.1) v1(56.6,33.2) v1(57,61.6) v1(57.6,54.9) v1(57.6,53.4) v1(57.6,51.9) v1(57.7,48.4) v1(57.7,4.1) v1(57.9,24) v1(58,28.3) v1(58.4,30.1) v1(58.8,80.1) v1(58.8,1.8) v1(59.4,33.2) v1(60.7,80.1) v1(61,38.4) v1(61,30.1) v1(61.6,33.2) v1(62.7,21.5) v1(63,40.5) v1(63.4,38.4) v1(63.5,23.8) v1(63.7,13.9) v1(64,21.5) v1(64.5,51) v1(64.5,49.1) v1(64.8,9.7) v1(65.1,28.4) v1(65.2,63.6) v1(65.2,61.7) v1(65.2,60.2) v1(65.2,58.3) v1(65.3,40.5) v1(66.5,8) v1(66.8,30.2) v1(66.8,28.7) v1(67.6,51.4) v1(67.7,6.3) v1(67.7,5.3) v1(68.3,21.1) v1(69.4,6.3) v1(69.4,5.3) v1(69.5,58.2) v1(69.5,56.3) v1(69.5,53.5) v1(69.5,51.6) v1(69.6,63.5) v1(70.9,62.1) v1(70.9,24) v1(71.1,58.2) v1(71.1,56.3) v1(71.1,53.6) v1(71.1,51.7) v1(71.3,39.6) v1(71.3,37.7) v1(71.4,8.8) v1(71.4,7.1) v1(71.7,27) v1(71.9,45.1) v1(72.6,24) v1(72.9,28.9) v1(73.2,55.5) v1(73.4,60.2) v1(73.8,17) v1(73.9,12.7) v1(74,9.1) v1(74,7.1) v1(74,4.8) v1(74.1,69.6) v1(74.5,53.6) v1(74.5,51.7) v1(74.8,27) v1(75,58.3) v1(76.4,9.6) v1(76.4,7.1) v1(76.4,4.9) v1(76.5,28.9) v1(76.6,18) v1(76.6,15.6) v1(77.4,13.1) v1(77.8,55.3) v1(77.8,51.5) v1(77.8,44.1) v1(78,0.7) v1(79,9.7) v1(79.1,13.1) v1(80.3,2.2) v1(80.7,13.1) v1(81.4,9.8) v1(81.8,63.4) v1(81.8,62.1) v1(83.1,63.8) v1(83.1,59.7) v1(84,49) v1(84.1,28.8) v1(84.2,30.2) v1(84.3,10.2) v1(84.3,4.5) v1(84.4,89.5) v1(84.4,76.5) v1(84.4,12.5) v1(85.3,7) v1(85.4,0.5) v1(86.3,10.3) v1(86.6,28.8) v1(86.8,32.6) v1(87,16.8) v1(87,15.1) v1(87,13.5) v1(87.2,6.9) v1(87.5,76.5) v1(87.5,34.4) v1(88,35.6) v1(88.3,9.6) v1(89.5,7) v1(89.7,19.4) v1(89.7,17.7) v1(89.7,16.1) v1(89.7,4.4) v1(89.8,0.6) v1(90.6,9.6) v1(90.9,56.4) v1(90.9,54.5) v1(91.3,89.6) v1(91.3,71) v1(91.3,66.8) v1(91.3,62.9) v1(91.6,36.4) v1(91.6,3.3) v1(93.5,10.1) v1(94.1,32.6) v1(94.1,28.9) v1(94.8,66.4) v1(94.9,69.6) v1(95.4,19.4) v1(95.4,3.1) v1(95.5,6.7) v1(95.5,4.9) v1(96.1,11.1) v1(96.1,10) v1(96.7,90) v1(97.1,28.9) v1(97.9,8) v1(97.9,6.7) v1(98,90) v1(98.7,11.1) v1(98.7,10) v1(98.8,22.3) v1(99.6,15.1) v1(99.8,21.7) v1(101.2,91.2) v1(101.8,95.5) v1(101.9,100.3) v1(101.9,98.2) v1(101.9,23.1) v1(103,0.5) v1(103.1,95.5) v1(103.2,100.3) v1(103.2,98.2) v1(103.6,24.6) v1(104.3,0.5) v1(105.6,15.6) v1(107.9,4.7) v1(108.1,87.3) v1(108.2,76.5) v1(108.3,8.9) v1(109.4,87.3) v1(110.5,93.6) v1(110.5,0.5) v1(111.8,0.5) v1(111.9,76.5) v1(113.1,22.1) v1(113.2,93.6) v1(113.3,11.8) v1(113.3,8.9) v1(114.4,22.1) v1(114.6,94.9) v1(114.9,0.5) v1(115.6,55.8) v1(115.6,54.2) v1(115.6,51.7) v1(116.2,0.5) v1(116.6,49.5) v1(116.7,94.9) v1(116.7,11.9) v1(117.1,8.9) v1(117.2,99.5) v1(117.4,32.3) v1(117.4,30.7) v1(117.4,29) v1(118,62.6) v1(118,60) v1(118.5,94.9) v1(118.5,11.9) v1(118.6,90.8) v1(118.6,89.6) v1(118.8,4.6) v1(118.9,58) v1(118.9,47.3) v1(118.9,45.8) v1(118.9,27.3) v1(118.9,24.7) v1(118.9,22.2) v1(119,73.8) v1(119.6,84.5) v1(120,8.9) v1(120.2,27.3) v1(120.2,24.7) v1(120.2,22.2) v1(120.6,99.1) v1(120.8,93.3) v1(120.9,84.5) v1(121,37.4) v1(121.1,49.5) v1(121.2,72.7) v1(121.3,76.7) v1(121.3,0.5) v1(121.9,99.1) v1(121.9,91) v1(122.3,37.4) v1(122.5,55.9) v1(122.6,15.6) v1(122.6,0.5) v1(122.7,96.7) v1(122.7,13.9) v1(123.2,91) v1(124,96.7) v1(124.3,0.5) v1(124.4,93.7) v1(125.3,99.1) v1(125.6,0.5) v1(125.7,93.7) v1(126.2,91.1) v1(126.6,99.1) v1(127,77.8) v1(127,75.3) v1(127.1,80.4) v1(127.1,72.8) v1(127.5,91.1) v1(128.2,12.3) v1(128.3,77.8) v1(128.3,75.3) v1(128.3,49.4) v1(128.3,4.5) v1(128.4,80.4) v1(128.4,72.8) v1(130.1,89.4) v1(130.8,0.5) v1(131,96.8) v1(131.4,93.8) v1(132.1,0.5) v1(132.3,96.8) v1(132.7,93.8) v1(132.7,45.1) v1(133.3,89.1) v1(133.4,85.4) v1(133.4,84.1) v1(133.5,64.1) v1(133.7,38.3) v1(133.7,36.5) v1(133.7,33) v1(133.7,28.1) v1(133.8,21.7) v1(133.9,16.8) v1(133.9,13.8) v1(133.9,0.5) v1(134,9.9) v1(134.8,87.4) v1(135,38.3) v1(135,36.5) v1(135,33) v1(135,28.1) v1(135.1,21.7) v1(135.2,16.8) v1(135.2,13.8) v1(135.2,0.5) v1(135.3,9.9) v1(135.6,74.6) v1(135.6,70.7) v1(135.6,66.7) v1(135.7,78) v1(136.1,96.8) v1(136.6,87.5) v1(137.4,96.8) v1(137.7,99.6) v1(137.7,4.5) v1(139,99.6) v1(140.2,0.5) v1(141.5,0.5) v1(144.2,69.6) v1(144.2,68.3) v1(144.4,79.3) v1(144.4,78) v1(144.6,92.6) v1(144.6,91.3) v1(144.6,88.1) v1(144.6,86.8) v1(145,29) v1(145,27.7) v1(145,24) v1(145,22.7) v1(148,78.2) v1(148,76.9) v1(148.2,86.8) v1(148.2,85.5) v1(148.2,35.3) v1(148.2,34) v1(148.2,25.4) v1(148.2,24.1) v1(148.2,18) v1(148.2,16.7) v1(148.3,63.4) v1(148.3,62.1) v1(148.4,70.2) v1(148.4,68.9) v1(148.4,11.9) v1(148.4,10.6) v1(148.5,8.4) v1(148.5,7.1) v1(148.6,93) v1(148.6,91.7) v2(58.2,13.3) v2(60.2,13.3) v2(60.2,11.3) v2(123.8,53.8) v2(123.8,52.4) v2(124.5,53.1) v2(125.2,53.8) v2(125.2,52.4)
GND_EARTH: length 451.5
  TOP w0.508: MH2.1 2.1,4.5 USB3.9 USB3.8 USB3.7 USB3.6 USB1.9 USB1.8 USB1.7 USB1.6 ; L3.1 2.46,97.86 MH1.1
  BOTTOM w0.508: 149.6,65.1 149.59,65.09 J15.10 ; 149.6,65.1 149.6,60.2 ; 149.6,65.1 149.6,90.1 ; 149.6,90.1 149.58,90.08 J15.11 ; 149.6,90.1 149.6,95.8 MH4.1 143.8,101.6 6.2,101.6 MH1.1 0.4,95.8 0.4,41.4 ; 0.4,28.1 0.4,6.2 MH2.1 ; 0.4,28.1 USB2.5 ; 0.4,28.1 0.4,41.4 ; J16.11 149.58,38.48 149.6,38.5 ; 149.6,60.2 149.6,43.4 ; 149.6,60.2 141,60.2 140.34,59.55 J9.14 135.75,59.55 134.41,58.21 J9.8 ; J16.10 149.59,13.49 149.6,13.5 ; 149.6,13.5 149.6,38.5 ; 149.6,13.5 149.6,6.2 MH3.1 ; 149.6,38.5 149.6,43.4 ; 0.4,41.4 USB2.6 ; J9.13 140.34,44.05 141,43.4 149.6,43.4
VCC_3V3: length 976.5
  TOP w0.254: v1(72.8,47.9) 73.05,48.15 U1.52 ; R61.1 20.74,14.06 21.4,13.4 23.7,13.4 25,12.1 v1(25,11.1) Q5.3 ; R55.1 45.06,76.58 C64.2 ; U1.62 78.05,48.15 v1(77.8,47.9) C15.2 ; R56.1 46.1,74.4 47.7,76 v1(47.7,77.6) ; C17.2 v1(61.8,48.4) 62,48.2 66.3,48.2 66.55,48.45 U1.39 ; C9.2 v1(77.3,73.2) 77.05,72.95 U1.121 ; C16.2 87.15,57.3 v1(87.1,57.35) U1.84 83.35,57.35 82.3,58.4 82.3,61.7 83.45,62.85 U1.95 88.19,62.85 C10.2 ; C18.2 60.56,55 v1(61.5,55) 61.65,54.85 U1.30 ; U1.131 72.05,72.95 v1(72.3,73.2) C13.2 ; 28.94,6.43 28.68,6.18 v1(28.02,6.18) ; C11.2 v1(85.3,70.7) U1.108 ; C14.2 84.8,47.9 v1(84.77,47.93) 83.53,47.93 83.05,48.41 U1.72 ; U1.144 65.55,72.65 64.9,73.3 63.1,73.3 62.8,73.6 C12.2 ; v1(60.6,75.7) 61.7,76.8 65,76.8 65.8,76 R2.2 ; C19.2 v1(61.5,61.5) 61.6,61.5 61.75,61.35 U1.17 ; R12.2 v1(57.7,50.4)
  TOP w0.4: C60.2 30.44,8.6 R51.1 ; R33.2 126.3,84.26 C34.1
  TOP w0.508: 27.38,61.72 J20.5 ; 27.38,61.72 27.42,61.72 ; 27.38,61.72 28.4,60.7 ; J20.5 24.11,62.51 24.09,62.51 23.9,62.7 ; J20.5 23.42,61.72 23.4,61.7 ; J20.5 J20.8 ; J20.5 24.9,61.7 23.9,60.7 ; 99,101.34 104.26,101.34 105.04,100.56 U5.2 104.2,97.2 C35.2 ; 99,101.34 99.04,101.3 C66.2 C65.2 96.48,98.7 J4.18 96.08,96.68 95.4,96 88.8,96 87.9,95.1 84,95.1 J13.24 J13.25 ; 99,101.34 33.04,101.34 26.84,95.14 R16.1 v1(26.8,93.8) ; J20.8 27.44,59.16 28.2,58.4 28.5,58.4 28.6,58.5 ; J20.8 J20.7 ; J20.8 28.78,59.18 28.8,59.2 ; J20.8 27.44,59.34 28.3,60.2 ; v1(51.9,86.8) v1(72.1,86.8) v1(77.1,86.8) ; v1(47.09,4) v1(47.09,10.6) ; C60.2 28.94,5.2 ; 27.42,61.72 28.4,62.7 ; 27.42,61.72 J20.6 ; v1(69.4,43.7) 72.36,46.66 C8.2 v1(72.8,47.9) ; J1.45 37.3,17.62 37.3,25 36.3,26 J8.2 J8.1 ; C69.2 132.59,81.94 U17.16 v1(129.06,81.94) ; J20.7 24.82,59.18 ; J20.7 J20.6 ; v1(44.25,22.55) 58.3,36.6 R54.1 64.74,34.06 v1(65.2,33.6) 66.26,32.54 C61.2 66.56,32.8 U14.11 ; R33.2 R34.2 R35.2 ; J20.6 33.72,61.72 34.5,62.5 34.5,80.3 35.27,81.06 U15.3 40.13,81.06 v1(41.5,79.7) U16.8 C64.2 ; 130.57,84.24 R31.1 R32.1 ; 130.57,84.24 v1(129.06,85.75) ; 130.57,84.24 130.56,84.24 129.04,85.76 C34.1 127.74,85.82 U4.4 ; U13.4 28.94,4.23 28.94,5.2 ; 99.84,10.2 99.8,10.24 v1(99.8,10.3) ; 99.84,10.2 99.84,11.56 99.1,12.3 92.43,12.3 D1.1 90.73,10.6 87.7,10.6 84.1,14.2 74.8,14.2 70.9,18.1 64.3,18.1 59.2,23.2 54,23.2 B1.1 48.5,22.6 41.72,15.82 J1.46 ; 99.84,10.2 R11.1 ; R42.2 51.06,18.56 49.6,17.1 v1(49.6,15.9) ; 28.94,5.2 30.8,5.2 32.24,6.64 R50.1 32.24,7.14 33.7,8.6 38.5,8.6 39.96,7.14 C59.2 39.96,4.55 U12.3 41.1,4 41.64,4.54 R53.2 ; C68.2 126.8,18.84 J14.1 ; SW2.2 SW2.1 119.28,15.82 J3.46 J3.45 ; 24.38,59.18 23.32,59.18 23.3,59.2 ; 24.38,59.18 24.82,59.18 ; 24.38,59.18 23.7,58.5 ; U15.7 U15.8 v1(44.26,84.5) 44.26,85.58 C63.2 ; v1(60.6,75.7) 61.86,74.44 C12.2 ; 24.82,59.18 23.8,60.2 ; U22.2 13.5,69.5 ; L1.1 132,57.86 v1(132,59.2) ; v1(54.3,73.1) v1(60.3,73.1) ; U10.8 28.57,89.2 28.06,89.71 C57.1 v1(29.3,91.3) ; v1(13.6,54) 8.16,59.44 v1(6.76,59.44) R15.1 ; U14.33 C62.1 v1(82.44,24.74) ; J2.2 J2.1 ; R14.1 v1(6.76,63.51)
  BOTTOM w0.254: v1(25,11.1) 26.4,11.1 28.6,8.9 28.6,6.76 v1(28.02,6.18)
  BOTTOM w0.508: J13.25 85.3,90.6 v1(85.3,70.7) 85.3,58.96 86.91,57.35 v1(87.1,57.35) ; v1(84.77,47.93) 77.83,47.93 v1(77.8,47.9) v1(72.8,47.9) ; v1(51.9,86.8) 46.56,86.8 v1(44.26,84.5) 42.5,84.5 41.5,83.5 v1(41.5,79.7) ; v1(72.8,47.9) 72.8,53.8 71.6,55 v1(61.5,55) ; v1(72.8,47.9) 62.3,47.9 v1(61.8,48.4) ; v1(72.1,86.8) 72.1,73.4 v1(72.3,73.2) ; v1(99.8,10.3) 105.3,10.3 107.7,12.7 J3.45 105.3,18.22 105.3,21.3 101.86,24.74 v1(82.44,24.74) ; v1(61.5,55) v1(61.5,61.5) 61.5,65.9 v1(54.3,73.1) ; v1(61.5,55) 61.5,54.2 v1(57.7,50.4) ; v1(77.1,86.8) 77.34,86.56 77.34,73.24 v1(77.3,73.2) ; v1(47.09,10.6) 49.6,13.11 v1(49.6,15.9) 41.72,15.9 J1.46 J1.45 ; v1(44.25,22.55) 53.35,22.55 B1.1 ; v1(132,59.2) 132,79 v1(129.06,81.94) v1(129.06,85.75) 129.06,98.94 127.4,100.6 107.6,100.6 U5.2 ; v1(60.3,73.1) 60.6,73.4 v1(60.6,75.7) 58.7,77.6 v1(47.7,77.6) 45.6,79.7 v1(41.5,79.7) ; v1(26.8,93.8) v1(29.3,91.3) 29.3,83.2 18.5,72.4 v1(18.5,62.9) ; J20.6 28.7,62.98 28.7,71.69 36.71,79.7 v1(41.5,79.7) ; v1(65.2,33.6) 69.4,37.8 v1(69.4,43.7) ; J3.46 113.72,19.3 125.2,19.3 J14.1 ; v1(13.6,54) v1(13.6,61.8) ; J2.1 6.76,65.28 v1(6.76,63.51) v1(6.76,59.44) ; v1(47.09,4) U12.3
